# KiCad board Engine.kicad_pcb (continued)
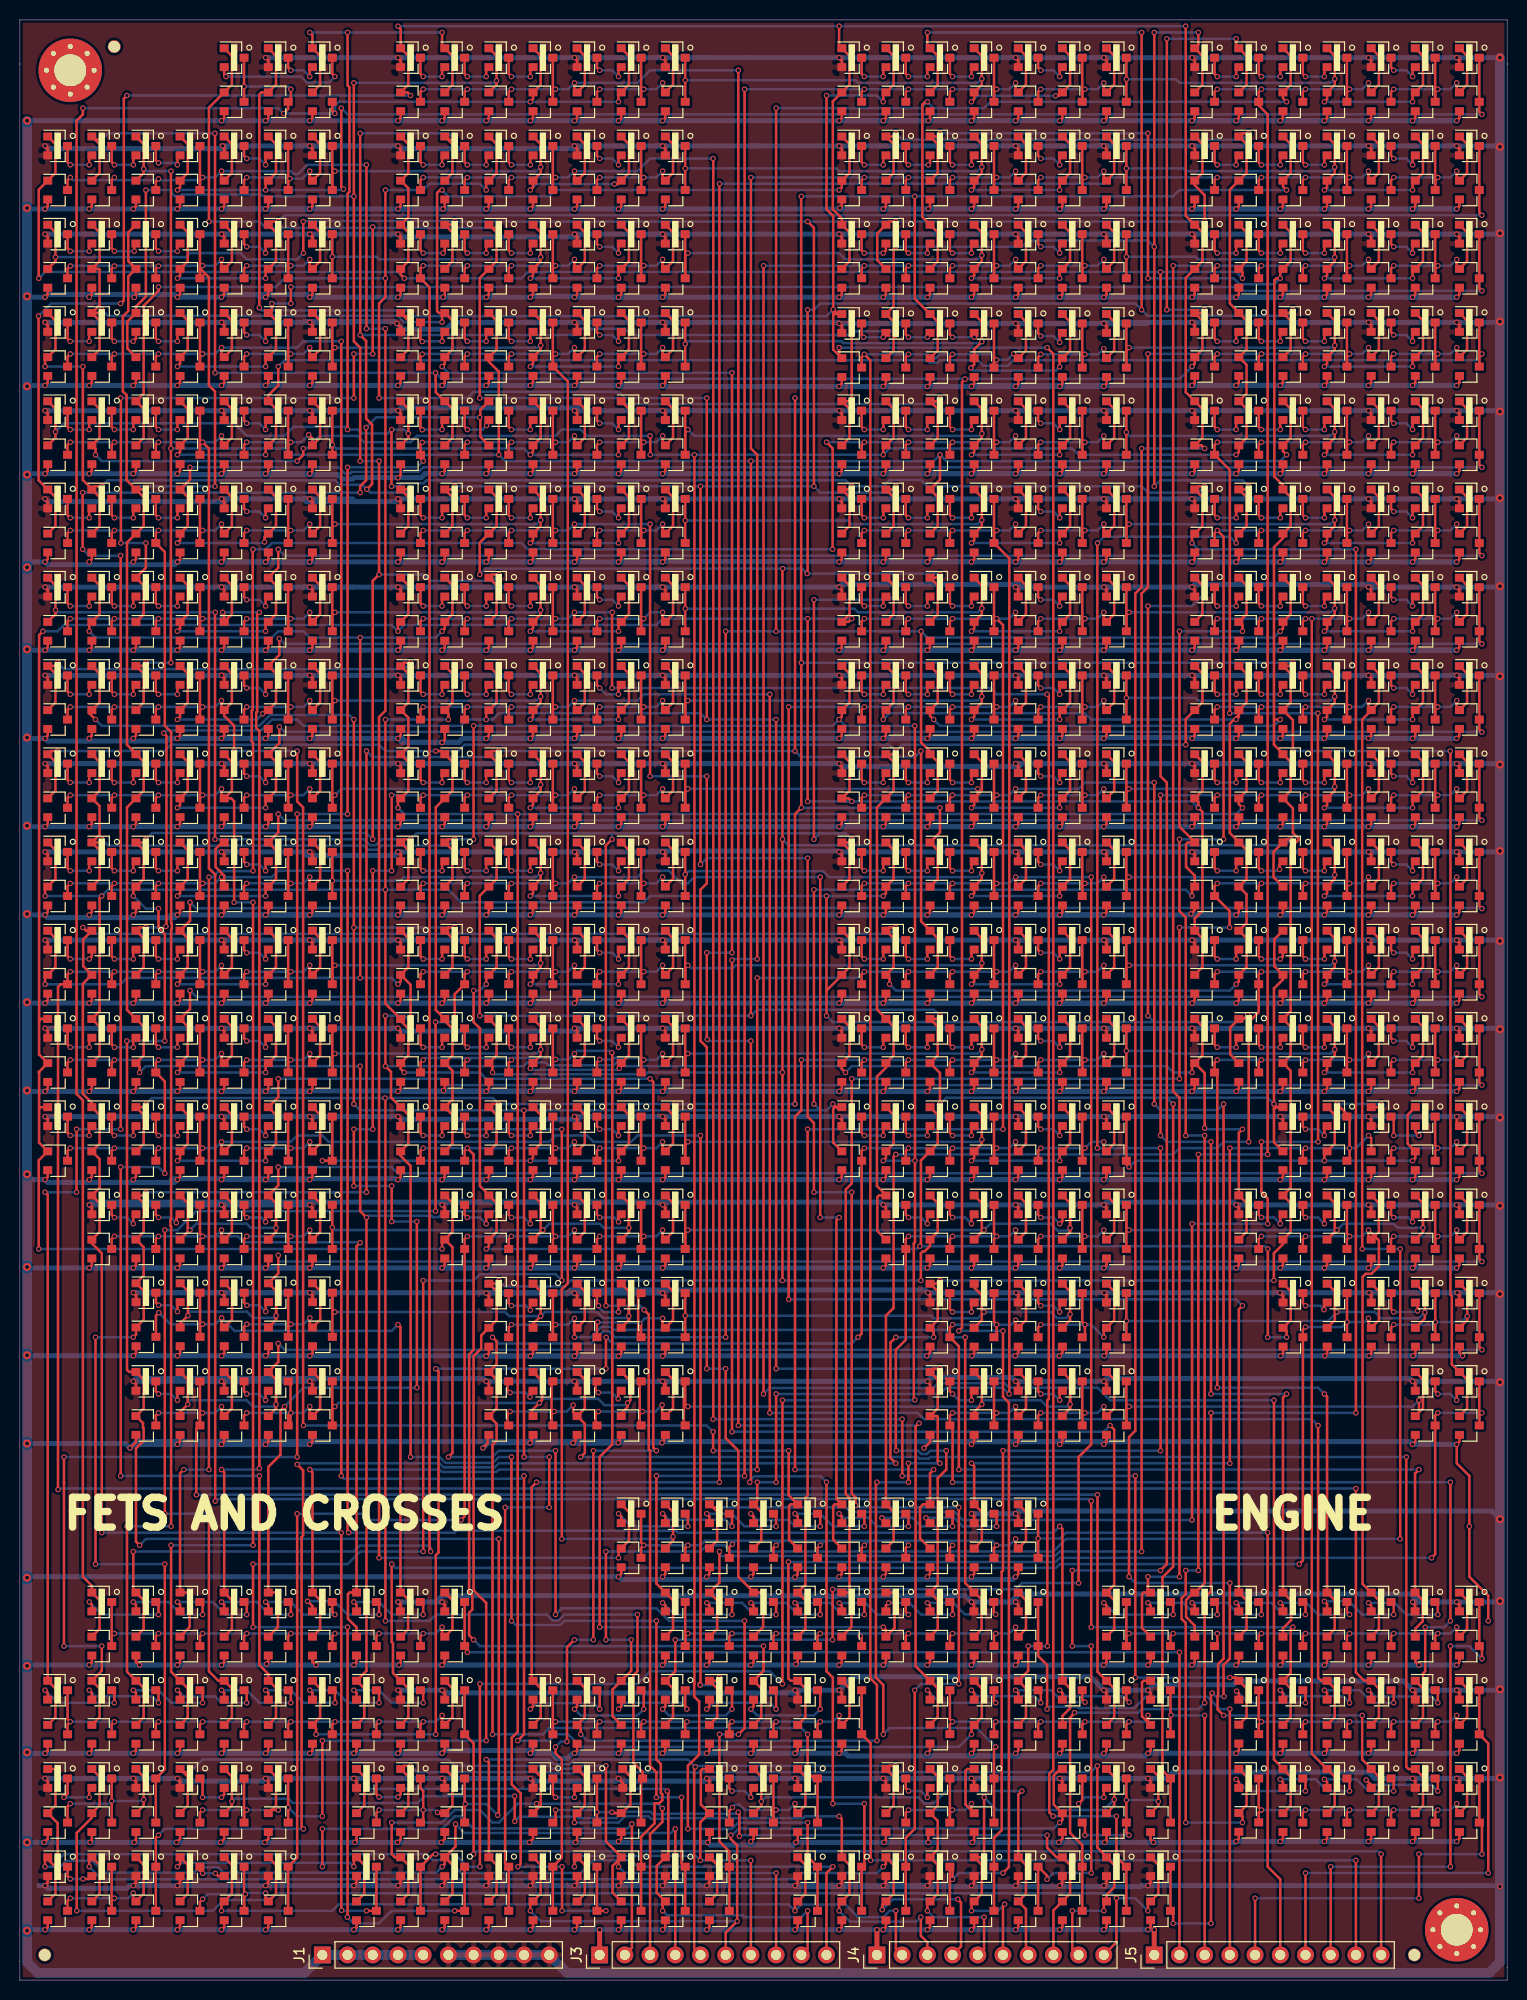
[diagram p0: board, top side]
## Routing (per net, layer and track width the routed paths; a pad name or vN(x,y) marks a point on that pad's centre or on a via; arc(x,y) is an arc through that point) (continued)
/sheet6079A94F/sheet607A7A7B/sheet6054A98B/sheet5E562435/A: length 19.1
  Top w0.25: Q310.3 107.32,65.04 v1(107.32,66.04) 107.05,66.31 Q309.3 ; v1(102.87,66.04) 102.6,65.77 Q307.3 ; v1(109.22,64.77) 109.22,65.45 Q306.1 110.27,66.5 110.27,69.39 Q305.1
  Bottom w0.25: v1(102.87,66.04) v1(107.32,66.04) 107.95,66.04 v1(109.22,64.77)
/sheet6079A94F/sheet607A3999/sheet6054A98B/sheet5E562435/A: length 20
  Top w0.25: Q285.1 30.27,69.43 30.27,66.53 Q286.1 29.22,66.03 v1(29.22,66.71) ; Q287.3 22.6,65.81 v1(22.87,66.08) ; v1(27.32,66.08) 27.05,65.81 Q290.3 Q289.3
  Bottom w0.25: v1(29.22,66.71) 28.59,66.08 v1(27.32,66.08) v1(22.87,66.08)
/sheet60491C71/OUT0: length 418.7
  Top w0.25: Q19.3 Q20.3 116.2,6.72 v1(116.2,5.72) ; Q845.1 83.6,173.18 83.6,176.07 Q847.1 82.82,177.49 81.92,178.4 81.92,189.28 Q977.1 83.6,190.96 83.6,193.85 Q979.1 82.55,194.89 v1(82.55,196.85) ; Q775.1 3.59,146.51 3.59,149.4 Q777.1 1.88,151.1 v1(1.88,167.64) ; v1(121.92,40) 121.92,32.38 121.29,31.75 121.29,28.62 v1(121.33,28.57) ; v1(10.16,168.91) 10.47,169.22 10.47,189.54 v1(10.79,189.86) ; v1(119.38,154.31) 119.07,154.62 Q761.1 119.16,155.4 119.16,158.29 117.48,159.97 117.48,171.5 Q859.1 119.16,173.18 119.16,176.07 Q861.1 117.48,177.75 v1(117.48,196.85) ; v1(120.02,5.72) 120.02,28.8 v1(120.14,28.92) ; v1(39.37,189.86) 39.05,190.18 Q957.1 39.15,190.96 39.15,193.85 Q959.1 38.37,196.58 v1(38.1,196.85) ; v1(111.76,40.64) 111.76,54.71 112.4,55.35 112.4,139.7 113.03,140.33 v1(113.03,154.31)
  Bottom w0.25: v1(39.37,189.86) v1(10.79,189.86) ; v1(111.76,40.64) 112.4,40 v1(121.92,40) ; v1(38.1,196.85) v1(82.55,196.85) v1(117.48,196.85) ; v1(120.14,28.92) 120.49,28.57 v1(121.33,28.57) ; v1(119.38,154.31) v1(113.03,154.31) ; v1(120.02,5.72) v1(116.2,5.72) ; v1(1.88,167.64) 3.15,168.91 v1(10.16,168.91)
/sheet60491C71/OUT1: length 320.7
  Top w0.25: Q22.3 Q21.3 110.49,12.43 v1(110.49,16.51) ; Q980.1 88.04,193.85 88.04,190.96 Q978.1 87,189.91 v1(87,189.23) ; Q887.1 39.15,164.29 39.15,167.18 Q889.1 38.68,167.64 v1(39.37,167.64) ; v1(82.55,164.47) 82.55,163.67 Q901.1 81.95,164.28 81.95,167.68 ; 81.95,167.68 82.12,167.85 Q903.1 82.41,167.85 v1(81.95,168.31) ; 81.95,167.68 v1(81.95,168.31) ; v1(81.95,168.31) 81.95,177.73 81.28,178.4 v1(81.28,189.86) ; v1(24.13,168.49) 24.13,189.97 24.34,190.18 Q971.1 25.81,190.96 25.81,193.85 Q973.1 ; v1(104.12,16.51) 103.72,16.91 103.72,20.79 104.13,21.19 104.13,163.84 v1(103.51,164.47)
  Bottom w0.25: v1(87,189.23) 86.36,189.86 v1(81.28,189.86) ; v1(110.49,16.51) v1(104.12,16.51) ; v1(81.95,168.31) 81.28,167.64 v1(39.37,167.64) 39.37,168.03 39.18,168.21 24.4,168.21 v1(24.13,168.49) ; v1(103.51,164.47) v1(82.55,164.47)
/sheet60491C71/OUT2: length 399.4
  Top w0.25: Q24.3 Q23.3 107.05,13.6 105.82,14.83 105.82,26.45 106.05,26.67 106.05,26.73 v1(106.27,26.95) ; Q958.1 43.59,190.96 43.59,193.85 Q960.1 42.54,194.89 v1(42.54,196.22) ; 2.81,159.06 3.59,158.29 v1(3.59,155.99) 3.59,155.4 Q929.1 ; 38.37,159.06 39.15,158.29 v1(39.15,155.8) 39.15,155.4 Q943.1 ; Q803.1 83.6,146.51 83.6,149.4 Q805.1 83.5,150.17 v1(83.82,150.5) ; Q972.1 30.26,190.96 30.26,193.85 Q974.1 29.48,195.94 v1(29.21,196.22) ; v1(119.38,27.94) 119.38,38.54 120.02,39.17 v1(120.02,57.15) ; v1(33.02,156.21) 33.02,179.96 33.2,180.14 33.2,190.7 33.02,190.88 v1(33.02,196.22) ; v1(119.38,150.5) 118.7,150.5 Q819.1 119.16,149.4 119.16,146.51 Q817.1 118.11,145.46 v1(118.11,144.78) ; v1(37.46,156.21) 37.44,156.19 v1(37.44,150.5) ; v1(134.62,57.15) v1(134.62,144.14)
  Bottom w0.25: v1(42.54,196.22) v1(33.02,196.22) v1(29.21,196.22) ; v1(120.02,57.15) v1(134.62,57.15) ; v1(134.62,144.14) 118.75,144.14 v1(118.11,144.78) ; v1(37.44,150.5) 38.13,150.5 38.44,150.8 40.67,150.8 40.96,151.1 83.22,151.1 v1(83.82,150.5) 87,150.5 87.63,151.13 90.81,151.13 91.44,150.5 113.03,150.5 113.67,149.86 118.75,149.86 v1(119.38,150.5) ; v1(39.15,155.8) 38.73,156.21 v1(37.46,156.21) 37.08,155.82 34.43,155.82 34.04,156.21 v1(33.02,156.21) 32.75,156.48 27.58,156.48 26.67,155.57 22.86,155.57 21.59,156.84 4.44,156.84 v1(3.59,155.99) ; v1(119.38,27.94) 118.75,27.3 113.03,27.3 112.68,26.95 v1(106.27,26.95)
/sheet60491C71/OUT3: length 343.6
  Top w0.25: Q26.3 Q25.3 103.51,10.53 v1(103.51,10.16) ; 2.81,185.73 3.59,184.96 3.59,182.07 Q1005.1 1.9,180.38 v1(1.9,171.45) ; 38.37,185.73 39.15,184.96 39.15,182.07 Q1019.1 39.15,180.51 39.15,177.62 Q833.1 39.15,176.07 39.15,173.18 Q831.1 38.37,171.81 v1(38.73,171.45) ; Q862.1 123.6,176.07 123.6,173.18 Q860.1 123.19,172.03 v1(123.19,171.45) ; v1(114.94,172.08) 114.94,121.28 115.57,120.65 115.57,41.91 v1(114.94,41.28) ; v1(106.05,41.28) v1(106.05,33.66) ; v1(107.95,33.66) v1(107.95,10.79)
  Bottom w0.25: v1(103.51,10.16) 104.14,10.79 v1(107.95,10.79) ; v1(123.19,171.45) 122.55,172.08 v1(114.94,172.08) 52.7,172.08 52.67,172.05 51.15,172.05 50.55,171.45 v1(38.73,171.45) 38.1,172.08 2.54,172.08 v1(1.9,171.45) ; v1(106.05,33.66) v1(107.95,33.66) ; v1(114.94,41.28) v1(106.05,41.28)
/sheet60491C71/OUT4: length 475.4
  Top w0.25: Q28.3 Q27.3 98.16,14.33 98.93,15.11 98.93,41.15 99.06,41.28 v1(99.06,53.34) ; Q991.1 119.16,190.96 119.16,193.85 Q993.1 118.75,194.99 v1(118.75,196.22) ; Q1020.1 43.59,182.07 43.59,184.96 42.81,185.73 43.13,185.42 v1(43.81,185.42) ; Q875.1 3.59,167.18 3.59,164.29 Q873.1 2.54,163.24 v1(2.54,162.56) ; Q902.1 88.04,164.18 88.04,165.51 ; Q747.1 83.6,155.4 83.6,158.29 82.82,159.06 83.52,159.06 83.82,159.37 v1(83.82,165.73) ; Q778.1 8.03,149.4 8.03,146.51 Q776.1 ; Q778.1 7.58,150.5 v1(8.26,150.5) ; Q778.1 7.26,150.22 6.35,151.13 v1(6.35,162.56) ; Q789.1 39.15,146.51 39.15,149.4 Q791.1 39.35,150.17 v1(39.37,150.2) ; v1(34.29,186.05) v1(34.29,165.73) 34.89,165.13 34.89,157.31 35.49,156.71 35.49,150.72 v1(34.96,150.19) ; 88.04,165.51 88.04,167.07 Q904.1 88.04,168.63 88.04,174.4 v1(88.27,174.62) ; 88.04,165.51 v1(88.27,165.73) ; v1(123.83,150.5) 123.51,150.17 Q820.1 123.6,149.4 123.6,146.51 Q818.1 122.55,145.46 v1(122.55,144.78) ; v1(114.94,53.34) v1(114.94,83.82) ; v1(114.3,196.22) v1(114.3,174.62) v1(114.3,150.5) ; v1(108.59,144.78) 108.56,144.76 v1(108.56,83.82)
  Bottom w0.25: v1(34.29,165.73) 55.88,165.73 56.51,166.37 60.96,166.37 61.59,165.73 v1(83.82,165.73) 84.2,166.12 87.88,166.12 v1(88.27,165.73) ; v1(114.3,174.62) 113.67,175.26 101.6,175.26 100.97,174.62 v1(88.27,174.62) ; v1(108.59,144.78) 109.22,145.41 121.92,145.41 v1(122.55,144.78) ; v1(8.26,150.5) 8.86,151.1 31.81,151.1 32.26,150.65 34.51,150.65 v1(34.96,150.19) 35.3,149.86 39.03,149.86 v1(39.37,150.2) ; v1(6.35,162.56) v1(2.54,162.56) ; v1(34.29,186.05) 43.18,186.05 v1(43.81,185.42) ; v1(99.06,53.34) v1(114.94,53.34) ; v1(114.3,150.5) 114.9,151.1 123.22,151.1 v1(123.83,150.5) ; v1(114.94,83.82) v1(108.56,83.82) ; v1(114.3,196.22) v1(118.75,196.22)
/sheet60491C71/OUT5: length 368
  Top w0.25: Q30.3 Q29.3 93.98,11.16 v1(93.98,10.16) ; Q992.1 123.6,190.96 123.6,193.85 Q994.1 122.55,194.89 v1(122.55,195.58) ; Q1006.1 8.03,182.07 8.03,184.96 7.26,185.73 7.57,185.42 v1(8.26,185.42) ; Q944.1 43.59,155.4 43.59,158.29 41.91,159.97 41.91,161.08 41.89,161.1 v1(41.89,161.92) ; v1(94.62,65.4) 94.93,65.72 94.93,160.99 v1(95.23,161.29) ; v1(119.38,168.27) 119.06,167.95 Q917.1 119.16,167.18 119.16,164.29 Q915.1 118.38,162.83 v1(118.11,162.56) ; v1(99.06,65.4) 99.06,58.78 99.66,58.18 99.66,11.4 v1(99.06,10.79) ; v1(19.66,161.92) v1(19.66,186.05) ; v1(115.57,168.27) v1(115.57,195.58)
  Bottom w0.25: v1(118.11,162.56) 116.87,161.32 95.28,161.32 ; 95.28,161.32 95.26,161.32 v1(95.23,161.29) ; 95.28,161.32 42.49,161.32 v1(41.89,161.92) v1(19.66,161.92) ; v1(119.38,168.27) v1(115.57,168.27) ; v1(19.66,186.05) 8.89,186.05 v1(8.26,185.42) ; v1(94.62,65.4) v1(99.06,65.4) ; v1(115.57,195.58) v1(122.55,195.58) ; v1(99.06,10.79) 94.62,10.79 v1(93.98,10.16)
/sheet60491C71/OUT6: length 406.1
  Top w0.25: Q32.3 Q31.3 89.27,14.33 90.17,15.24 v1(90.17,29.21) ; 118.38,185.73 119.16,184.96 119.16,182.07 Q1047.1 118.38,180.83 119.38,179.83 v1(119.38,177.16) ; Q1063.1 3.59,176.07 v1(3.59,173.58) 3.59,173.18 Q1061.1 ; Q832.1 43.59,173.18 43.59,176.07 Q834.1 43.49,176.84 v1(43.81,177.16) ; Q790.1 43.59,146.51 43.59,149.4 Q792.1 43.49,150.17 v1(43.81,150.5) ; Q804.1 88.04,146.51 88.04,149.4 Q806.1 87.95,150.17 v1(88.27,150.5) ; v1(68.58,112.39) v1(68.58,150.5) ; v1(83.82,79.37) 83.82,49.01 84.2,48.64 v1(84.2,47.83) ; v1(28.55,177.16) 28.55,174.01 v1(28.57,173.99) ; v1(79.38,177.16) 80.01,176.53 v1(80.01,150.5) ; v1(79.38,113.03) 79.38,86.99 80.01,86.36 v1(80.01,79.37) ; v1(88.27,177.16) 87.59,177.16 Q848.1 86.39,175.97 86.39,173.27 Q846.1 ; v1(94.62,29.84) v1(94.62,47.62)
  Bottom w0.25: v1(84.2,47.83) 84.4,47.62 v1(94.62,47.62) ; v1(68.58,112.39) 69.22,113.03 v1(79.38,113.03) ; 43.18,177.16 43.12,177.22 28.61,177.22 v1(28.55,177.16) ; 43.18,177.16 v1(79.38,177.16) v1(88.27,177.16) v1(119.38,177.16) ; 43.18,177.16 v1(43.81,177.16) ; v1(90.17,29.21) 90.81,29.84 v1(94.62,29.84) ; v1(43.81,150.5) v1(68.58,150.5) v1(80.01,150.5) 80.65,149.86 87.63,149.86 v1(88.27,150.5) ; v1(3.59,173.58) 16.73,173.58 17.14,173.99 22.23,173.99 22.86,173.35 27.94,173.35 v1(28.57,173.99) ; v1(83.82,79.37) v1(80.01,79.37)
/sheet60491C71/OUT7: length 322
  Top w0.25: Q34.3 Q33.3 85.09,11.7 v1(85.09,17.78) ; 82.82,185.73 83.6,184.96 83.6,182.07 Q1033.1 82.82,180.61 v1(82.55,180.34) ; Q1064.1 8.03,176.07 8.03,173.18 Q1062.1 7.96,172.4 8.03,172.32 8.03,168.73 Q876.1 ; Q876.1 8.03,167.18 8.03,164.29 Q874.1 ; Q876.1 7.94,167.95 v1(8.26,168.27) ; Q890.1 43.59,167.18 43.59,164.29 Q888.1 42.81,162.83 v1(42.54,162.56) ; Q890.1 42.23,167.95 42.04,168.15 42.04,180.05 42.33,180.34 v1(42.54,180.34) ; Q890.1 42.54,167.69 v1(42.54,167.04) ; v1(73.66,94.61) 73.66,50.28 v1(73.54,50.16) ; v1(81.28,50.16) 81.28,31.11 81.92,30.48 v1(81.92,17.78) ; v1(71.76,161.92) v1(71.76,103.5) ; v1(69.22,103.5) 69.22,94.83 v1(69.26,94.78)
  Bottom w0.25: v1(42.54,180.34) 43.18,179.7 53.34,179.7 53.98,180.34 v1(82.55,180.34) ; v1(73.66,94.61) 69.43,94.61 v1(69.26,94.78) ; v1(71.76,103.5) v1(69.22,103.5) ; v1(8.26,168.27) 8.86,167.67 38.07,167.67 38.7,167.04 v1(42.54,167.04) ; v1(73.54,50.16) 73.54,50.3 74.01,50.77 80.68,50.77 v1(81.28,50.16) ; v1(71.76,161.92) 43.18,161.92 v1(42.54,162.56) ; v1(81.92,17.78) v1(85.09,17.78)
/sheet60491C71/OUT8: length 372.1
  Top w0.25: Q36.3 Q35.3 79.38,12.43 v1(79.38,15.88) ; Q1034.1 88.04,182.07 88.04,184.96 87.27,185.73 87.95,185.73 v1(88.27,186.05) ; 7.26,159.06 8.03,158.29 8.03,155.4 Q930.1 7.62,154.25 v1(7.62,153.67) ; 87.27,159.06 88.04,158.29 88.04,155.4 Q748.1 87,154.35 v1(87,153.67) ; v1(67.31,15.24) 67.31,21.59 68.45,22.73 68.45,28.07 67.95,28.57 67.95,29.84 67.97,29.87 v1(67.97,153.67) ; v1(63.5,155.57) 63.52,155.55 v1(63.52,153.67) ; v1(123.83,186.05) 123.14,186.05 122.83,185.73 123.6,184.96 123.6,182.07 Q1048.1 121.92,180.38 121.92,168.91 122.83,168 Q918.1 123.6,167.18 123.6,164.29 Q916.1 123.6,162.73 123.6,159.84 122.83,159.06 123.6,158.29 123.6,155.4 Q762.1 122.83,153.94 v1(122.55,153.67) ; v1(27.94,153.03) 28.55,153.65 v1(28.55,154.31)
  Bottom w0.25: 67.95,153.67 v1(63.52,153.67) ; 67.95,153.67 v1(67.97,153.67) ; 67.95,153.67 v1(87,153.67) 87.63,154.31 106.05,154.31 106.68,153.67 v1(122.55,153.67) ; v1(79.38,15.88) 72.39,15.88 71.76,15.24 v1(67.31,15.24) ; v1(7.62,153.67) 8.26,153.03 v1(27.94,153.03) ; v1(88.27,186.05) 88.9,185.42 123.19,185.42 v1(123.83,186.05) ; v1(28.55,154.31) 28.94,154.31 30.21,155.57 34.04,155.57 34.67,154.94 39.37,154.94 40,155.57 53.98,155.57 54.61,156.21 56.51,156.21 57.15,155.57 v1(63.5,155.57)
/sheet606933A1/Block: length 57.6
  Top w0.25: Q573.3 Q574.3 67.04,101.96 v1(67.31,102.23) ; Q416.1 96.93,104.95 v1(96.93,102.46) 96.93,102.06 Q418.1 96.16,100.6 v1(95.89,100.33) ; Q423.1 105.82,104.95 105.82,102.06 Q424.1 104.78,101.01 v1(104.78,100.33)
  Bottom w0.25: v1(95.89,100.33) v1(104.78,100.33) ; v1(96.93,102.46) 96.71,102.23 72.12,102.23 71.85,101.96 67.58,101.96 v1(67.31,102.23)
/sheet606933A1/sheet606F7BEA/sheet6054A98B/sheet5E562435/A: length 20
  Top w0.25: Q419.1 110.27,104.95 110.27,102.06 Q420.1 109.22,101.55 v1(109.22,102.23) ; Q423.3 Q424.3 107.05,101.33 v1(107.32,101.6) ; v1(102.87,101.6) 102.6,101.33 Q421.3
  Bottom w0.25: v1(102.87,101.6) v1(107.32,101.6) 108.59,101.6 v1(109.22,102.23)
/sheet606933A1/sheet606F7BEB/Block: length 48.5
  Top w0.25: Q419.3 Q420.3 111.49,101.96 v1(111.76,102.23) ; Q430.1 132.49,104.95 v1(132.49,102.65) 132.49,102.06 Q432.1 131.72,100.6 v1(131.44,100.33) ; Q437.1 141.38,104.95 141.38,102.06 Q438.1 140.33,101.01 v1(140.33,100.33)
  Bottom w0.25: v1(131.44,100.33) v1(140.33,100.33) ; v1(111.76,102.23) 132.08,102.23 v1(132.49,102.65)
/sheet606933A1/sheet606F7BEB/sheet6054A98B/sheet5E562435/A: length 20
  Top w0.25: Q433.1 145.83,104.95 145.83,102.06 Q434.1 144.78,101.55 v1(144.78,102.23) ; Q437.3 Q438.3 142.6,101.33 v1(142.88,101.6) ; v1(138.43,101.6) 138.16,101.33 Q435.3
  Bottom w0.25: v1(138.43,101.6) v1(142.88,101.6) 144.14,101.6 v1(144.78,102.23)
/sheet606933A1/sheet606F7BEC/Block: length 160.7
  Top w0.25: Q433.3 Q434.3 147.05,99.33 v1(147.32,99.06) ; Q451.1 25.81,96.06 25.81,93.17 Q452.1 24.77,92.12 v1(24.77,91.44) ; v1(15.87,91.44) 16.15,91.71 Q446.1 16.92,93.17 16.92,96.06 Q444.1 17.14,97.83 v1(17.14,99.69)
  Bottom w0.25: v1(15.87,91.44) v1(24.77,91.44) ; v1(147.32,99.06) 17.78,99.06 v1(17.14,99.69)
/sheet606933A1/sheet606F7BEC/sheet6054A98B/sheet5E562435/A: length 20
  Top w0.25: Q447.1 30.26,96.06 30.26,93.17 Q448.1 29.21,92.66 v1(29.21,93.34) ; Q451.3 Q452.3 27.03,92.44 v1(27.3,92.71) ; v1(22.86,92.71) 22.59,92.44 Q449.3
  Bottom w0.25: v1(22.86,92.71) v1(27.3,92.71) 28.57,92.71 v1(29.21,93.34)
/sheet606933A1/sheet606FA47B/Block: length 47.9
  Top w0.25: Q447.3 Q448.3 31.48,93.07 v1(31.75,93.34) ; Q458.1 52.48,96.06 v1(52.48,93.76) 52.48,93.17 Q460.1 51.7,92.13 v1(51.43,91.86) ; Q465.1 61.37,96.06 61.37,93.17 Q466.1 60.4,92.2 v1(60.4,91.86)
  Bottom w0.25: v1(52.48,93.76) 52.08,93.36 31.76,93.36 v1(31.75,93.34) ; v1(60.4,91.86) 60.25,91.71 51.58,91.71 v1(51.43,91.86)
/sheet606933A1/sheet606FA47B/sheet6054A98B/sheet5E562435/A: length 20.2
  Top w0.25: Q461.1 65.82,96.06 65.82,93.17 Q462.1 64.77,92.66 v1(64.77,93.34) ; Q465.3 Q466.3 62.59,92.44 v1(62.87,92.71) ; Q463.3 58.15,92.48 v1(58.43,92.76)
  Bottom w0.25: v1(64.77,93.34) 64.14,92.71 v1(62.87,92.71) 62.67,92.91 59.93,92.91 59.78,92.76 v1(58.43,92.76)
/sheet606933A1/sheet606FA47C/Block: length 57.4
  Top w0.25: Q461.3 Q462.3 67.04,93.07 v1(67.31,93.34) ; Q472.1 96.93,96.06 v1(96.93,93.76) 96.93,93.17 Q474.1 96.16,91.71 v1(95.89,91.44) ; Q479.1 105.82,96.06 105.82,93.17 Q480.1 104.78,92.12 v1(104.78,91.44)
  Bottom w0.25: v1(95.89,91.44) v1(104.78,91.44) ; v1(67.31,93.34) 96.52,93.34 v1(96.93,93.76)
/sheet606933A1/sheet606FA47C/sheet6054A98B/sheet5E562435/A: length 20
  Top w0.25: Q475.1 110.27,96.06 110.27,93.17 Q476.1 109.22,92.66 v1(109.22,93.34) ; Q479.3 Q480.3 107.05,92.44 v1(107.32,92.71) ; v1(102.87,92.71) 102.6,92.44 Q477.3
  Bottom w0.25: v1(102.87,92.71) v1(107.32,92.71) 108.59,92.71 v1(109.22,93.34)
/sheet606933A1/sheet606FA47D/Block: length 46.9
  Top w0.25: Q486.1 132.49,96.06 v1(132.49,93.76) 132.49,93.17 Q488.1 131.72,91.71 v1(131.44,91.44) ; Q493.1 141.38,96.06 141.38,93.17 Q494.1 140.33,92.12 v1(140.33,91.44) ; Q476.3 v1(111.49,93.61) Q475.3
  Bottom w0.25: v1(131.44,91.44) v1(140.33,91.44) ; v1(111.49,93.61) 115.94,93.61 116.2,93.34 132.08,93.34 v1(132.49,93.76)
/sheet606933A1/sheet606FA47D/sheet6054A98B/sheet5E562435/A: length 20
  Top w0.25: Q489.1 145.83,96.06 145.83,93.17 Q490.1 144.78,92.66 v1(144.78,93.34) ; Q493.3 Q494.3 142.6,92.44 v1(142.88,92.71) ; v1(138.43,92.71) 138.16,92.44 Q491.3
  Bottom w0.25: v1(138.43,92.71) v1(142.88,92.71) 144.14,92.71 v1(144.78,93.34)
/Sheet6049469B/Q0: length 456.7
  Top w0.25: Q613.1 48.04,119.84 48.04,122.73 Q611.1 47.58,123.82 v1(48.26,123.82) ; Q753.1 92.49,155.4 92.49,158.29 91.71,159.06 92.39,159.06 v1(92.71,159.38) ; Q417.1 92.49,102.06 92.49,104.95 Q415.1 91.71,105.77 90.81,106.68 90.81,123.8 v1(90.78,123.82) ; Q627.1 12.48,137.62 12.48,140.51 11.7,141.28 12.7,142.28 v1(12.7,144.78) ; v1(12.7,79.37) 12.38,79.05 Q258.1 12.48,78.28 12.48,75.39 Q256.1 12.48,73.83 12.48,70.97 Q292.1 12.49,69.43 12.49,66.53 Q291.1 11.71,65.05 v1(11.43,64.77) ; Q975.1 21.37,193.85 21.37,190.96 Q976.1 19.05,188.64 v1(19.05,177.16) ; v1(78.11,123.82) v1(78.11,159.38) ; v1(46.33,159.38) 46.33,171.47 Q837.1 48.04,173.18 48.04,176.07 Q835.1 47.57,176.53 v1(48.26,176.53) ; v1(10.18,144.78) 10.18,159.36 v1(10.16,159.38) ; v1(34.92,79.37) v1(34.92,123.82) ; v1(7.62,64.77) v1(7.62,41.91) ; v1(33.66,159.38) v1(33.66,163.83) ; Q38.3 Q37.3 14.6,21.22 v1(14.6,41.91) ; v1(35.56,163.83) v1(35.56,176.62)
  Bottom w0.25: v1(48.26,176.53) 24.77,176.53 24.13,177.16 v1(19.05,177.16) ; v1(7.62,41.91) v1(14.6,41.91) ; v1(34.92,123.82) 35.53,123.22 47.66,123.22 v1(48.26,123.82) v1(78.11,123.82) 78.71,123.22 90.18,123.22 v1(90.78,123.82) ; 78.14,158.78 78.14,159.35 v1(78.11,159.38) ; 78.14,158.78 92.11,158.78 v1(92.71,159.38) ; 78.14,158.78 60.92,158.78 60.32,159.38 v1(46.33,159.38) ; v1(11.43,64.77) v1(7.62,64.77) ; v1(12.7,79.37) v1(34.92,79.37) ; v1(12.7,144.78) v1(10.18,144.78) ; v1(10.16,159.38) v1(33.66,159.38) ; v1(33.66,163.83) v1(35.56,163.83)
/Sheet6049469B/Q1: length 333.2
  Top w0.25: Q961.1 48.04,193.85 48.04,190.96 Q963.1 ; Q641.1 48.04,137.62 48.04,140.51 47.26,141.28 47.58,141.6 v1(48.26,141.6) ; v1(35.56,114.93) 35.56,140.97 v1(36.2,141.6) v1(36.2,153.03) ; v1(34.29,153.03) 34.29,164.47 33.66,165.1 v1(33.66,179.7) v1(33.66,191.13) ; v1(48.15,16.62) 48.26,16.72 v1(48.26,44.45) ; Q879.1 10.83,164.38 10.83,167.08 Q877.1 11.7,168.6 12.7,169.6 v1(12.7,180.34) ; v1(11.43,109.22) 11.43,109.9 Q585.1 12.48,110.95 12.48,113.84 Q583.1 12.38,114.61 v1(12.7,114.93) ; Q44.3 44.81,17.51 44.87,17.57 v1(44.87,17.75) 44.81,17.8 Q43.3 ; v1(12.06,43.81) 11.7,44.18 11.7,53.57 12.48,54.34 12.48,55.59 12.41,55.66 12.41,56.12 Q331.1 12.48,57.61 12.48,60.5 11.7,61.28 11,61.28 10.79,61.48 10.79,94.59 v1(10.77,94.61) ; v1(14.6,94.61) 14.6,105.41 13.97,106.04 v1(13.97,107.95)
  Bottom w0.25: v1(48.04,191.36) 47.81,191.13 v1(33.66,191.13) ; v1(12.7,180.34) 15.27,180.34 15.27,180.05 15.59,179.74 16.16,179.74 16.31,179.89 24.33,179.89 24.48,179.74 24.73,179.74 24.76,179.7 v1(33.66,179.7) ; v1(48.26,141.6) 47.62,140.97 41.27,140.97 40.64,141.6 v1(36.2,141.6) ; v1(34.29,153.03) v1(36.2,153.03) ; v1(10.77,94.61) v1(14.6,94.61) ; v1(12.7,114.93) 13.33,115.57 34.92,115.57 v1(35.56,114.93) ; v1(13.97,107.95) 12.7,107.95 v1(11.43,109.22) ; v1(44.87,17.75) 47.02,17.75 v1(48.15,16.62) ; v1(12.06,43.81) 12.7,44.45 v1(48.26,44.45)
/Sheet6049469B/Q2: length 501
  Top w0.25: Q282.1 92.49,78.28 92.49,75.39 Q280.1 91.71,73.96 91.19,73.44 91,73.44 90.78,73.22 v1(90.78,70.48) ; Q983.1 92.49,190.96 92.49,193.85 Q981.1 91.44,194.89 v1(91.44,196.22) ; Q921.1 128.05,164.29 128.05,167.18 Q919.1 127.95,167.95 v1(128.27,168.27) ; Q793.1 48.04,149.4 48.04,146.51 Q795.1 46.33,144.8 v1(46.33,141.6) ; Q457.1 48.04,96.06 48.04,93.17 Q459.1 47.62,92.02 v1(47.62,91.44) ; Q655.1 92.49,137.62 92.49,140.51 91.71,141.28 92.39,141.28 v1(92.71,141.6) ; v1(46.99,24.13) 46.99,38 45.72,39.27 45.72,62.86 46.48,63.63 46.48,64.94 Q301.1 48.04,66.5 48.04,69.39 Q302.1 47.94,70.16 v1(48.26,70.48) ; v1(113.03,168.27) v1(113.03,196.22) ; v1(76.87,142.21) 76.84,142.17 v1(76.84,114.93) v1(76.84,91.44) v1(76.84,70.48) ; v1(79.32,141.7) 79.38,141.75 v1(79.38,168.27) ; v1(30.48,24.13) v1(30.48,16.51) ; Q599.1 126.32,111.12 126.32,113.67 Q597.1 127.59,114.93 v1(128.06,114.93) ; Q49.3 Q50.3
  Bottom w0.25: v1(113.03,196.22) v1(91.44,196.22) ; v1(76.84,114.93) 77.44,114.33 127.45,114.33 v1(128.06,114.93) ; v1(46.99,24.13) v1(30.48,24.13) ; v1(46.33,141.6) 46.93,142.21 v1(76.87,142.21) 78.82,142.21 v1(79.32,141.7) 92.61,141.7 v1(92.71,141.6) ; v1(90.78,70.48) 55.5,70.48 54.9,69.88 48.86,69.88 v1(48.26,70.48) ; v1(27.03,17.41) 27.94,16.51 v1(30.48,16.51) ; v1(79.38,168.27) 80.01,168.27 80.65,168.91 112.4,168.91 v1(113.03,168.27) 113.63,167.67 127.67,167.67 v1(128.27,168.27) ; v1(47.62,91.44) 47.81,91.26 63.06,91.26 63.25,91.44 v1(76.84,91.44)
/Sheet6049469B/Q3: length 389.8
  Top w0.25: 47.13,61.41 47.9,60.64 ; Q56.3 Q55.3 80.01,20.32 79.38,20.95 v1(79.38,24.76) ; Q995.1 128.05,193.85 128.05,190.96 Q997.1 127.27,189.59 v1(127.64,189.23) ; Q501.1 92.49,119.84 92.49,122.73 Q499.1 91.71,123.79 90.81,124.69 v1(90.81,135.89) ; Q851.1 92.49,173.18 92.49,176.07 Q849.1 90.93,177.62 90.93,188.94 91.22,189.23 v1(91.44,189.23) ; 127.27,141.28 128.05,140.51 128.05,137.62 Q669.1 127.27,136.16 v1(127,135.89) ; v1(71.12,135.89) v1(71.12,64.77) ; v1(47.62,64.77) 48.04,64.36 48.04,62.05 47.26,61.28 48.04,60.5 48.04,57.61 Q351.1 48.04,56.05 48.04,54.34 47.62,53.93 v1(47.62,24.76) ; v1(76.2,135.89) v1(76.2,188.59)
  Bottom w0.25: v1(71.12,135.89) v1(76.2,135.89) v1(90.81,135.89) 91.44,135.25 126.36,135.25 v1(127,135.89) ; v1(76.2,188.59) 90.81,188.59 v1(91.44,189.23) 92.08,188.59 97.16,188.59 97.79,189.23 v1(127.64,189.23) ; v1(47.62,64.77) 48.26,64.13 57.55,64.13 58.78,65.36 59.37,65.36 59.96,64.77 v1(71.12,64.77) ; v1(79.38,24.76) 78.74,25.4 53.34,25.4 52.7,24.76 v1(47.62,24.76)
/Sheet6049469B/Q4: length 476.5
  Top w0.25: 11.7,185.73 12.48,184.96 12.48,182.07 Q1011.1 ; Q527.1 48.04,113.84 48.04,110.95 Q529.1 46.33,109.24 v1(46.33,97.15) ; Q891.1 48.04,167.18 48.04,164.29 Q893.1 47.26,163.05 48.26,162.05 v1(48.26,153.67) ; 127.27,159.06 128.05,158.29 128.05,155.4 Q767.1 127.27,154.03 v1(127.64,153.67) ; Q809.1 92.49,146.51 92.49,149.4 Q807.1 92.71,151.17 v1(92.71,153.67) ; Q683.1 12.48,128.73 12.48,131.62 Q681.1 12.38,132.39 v1(12.7,132.71) ; v1(15.22,132.71) v1(15.22,154.31) 15.22,182.22 v1(15.24,182.25) ; Q407.1 126.36,84.4 126.36,87.74 ; v1(92.71,88.26) 92.71,91.39 Q473.1 92.49,93.17 92.49,96.06 Q471.1 92.39,96.83 v1(92.71,97.15) ; v1(73.66,97.15) v1(73.66,153.03) ; Q62.3 Q61.3 115.12,21.13 115.12,40.57 116.2,41.66 116.2,82.55 ; 116.2,82.55 116.2,82.55 ; 116.2,82.55 v1(116.2,88.26) ; 126.36,87.74 126.36,99.91 127.27,100.82 Q431.1 126.4,102.15 126.4,104.85 Q429.1 ; 126.36,87.74 126.57,87.94 Q408.1 126.69,87.94 v1(126.36,88.26)
  Bottom w0.25: 115.57,88.9 93.34,88.9 v1(92.71,88.26) ; 115.57,88.9 v1(116.2,88.26) ; 115.57,88.9 125.73,88.9 v1(126.36,88.26) ; v1(12.7,132.71) v1(15.22,132.71) ; v1(12.48,182.47) 12.7,182.25 v1(15.24,182.25) ; v1(127.64,153.67) 127,153.03 93.34,153.03 v1(92.71,153.67) 92.08,153.03 48.9,153.03 v1(48.26,153.67) 27.3,153.67 26.67,154.31 v1(15.22,154.31) ; v1(46.33,97.15) v1(73.66,97.15) 74.26,97.76 92.11,97.76 v1(92.71,97.15)
/Sheet6049469B/Q5: length 389.9
  Top w0.25: Q68.3 Q67.3 98.16,23.32 v1(98.33,23.5) ; 47.26,185.73 48.04,184.96 48.04,182.07 Q1025.1 46.99,181.02 v1(46.99,180.34) ; Q557.1 12.48,102.06 12.48,104.95 Q555.1 12.02,106.04 v1(12.7,106.04) ; Q935.1 12.48,155.4 12.48,158.29 11.7,159.06 12.48,159.84 12.48,168.69 13.97,170.18 v1(13.97,170.57) ; Q695.1 48.04,131.62 48.04,128.73 Q697.1 46.99,127.68 v1(46.99,127) ; v1(92.71,61.59) 92.03,61.59 91.71,61.28 92.49,60.5 92.49,57.61 Q341.1 92.41,56.83 92.49,56.75 92.49,52.29 v1(92.71,52.07) ; v1(14.71,106.15) 14.77,106.21 14.77,125.35 v1(14.5,125.62) ; v1(36.2,159.38) 36.2,168.91 36.83,169.54 v1(36.83,171.45) v1(36.83,180.34) ; v1(76.2,127) v1(76.2,61.59) ; v1(86.36,50.16) 86.26,50.06 86.26,30.48 87,29.74 v1(87,24.76) ; v1(69.22,159.38) v1(69.22,127) ; v1(89.54,52.07) v1(89.54,50.16)
  Bottom w0.25: v1(13.97,170.57) 25.79,170.57 26.67,171.45 v1(36.83,171.45) ; v1(87,24.76) 87.63,25.4 96.42,25.4 v1(98.33,23.5) ; v1(46.99,180.34) 46.35,180.97 41.27,180.97 40.64,180.34 v1(36.83,180.34) ; v1(12.7,106.04) 14.6,106.04 v1(14.71,106.15) ; v1(92.71,52.07) v1(89.54,52.07) ; v1(36.2,159.38) 45.09,159.38 45.72,160.02 60.04,160.02 60.09,159.97 60.37,159.97 60.96,159.38 v1(69.22,159.38) ; v1(14.5,125.62) 14.77,125.9 24.31,125.9 25.42,127 27.94,127 28.57,126.36 44.45,126.36 45.09,127 v1(46.99,127) 47.62,127 48.26,127.63 68.58,127.63 v1(69.22,127) v1(76.2,127) ; v1(76.2,61.59) v1(92.71,61.59) ; v1(89.54,50.16) v1(86.36,50.16)
/Sheet6049469B/Q6: length 389.9
  Top w0.25: Q1039.1 92.49,182.07 92.49,184.96 91.71,185.73 92.39,185.73 v1(92.71,186.05) ; Q863.1 128.05,176.07 128.05,173.18 Q865.1 127,172.13 v1(127,171.45) 126.61,171.45 126.4,171.24 126.4,151.48 127.27,150.61 Q821.1 128.05,149.4 128.05,146.51 Q823.1 127.27,145.27 126.36,144.36 126.36,124.46 127.27,123.55 Q513.1 128.05,122.73 128.05,119.84 Q515.1 128.27,118.06 128.27,115.57 128.91,114.93 128.05,114.08 128.05,97.61 Q485.1 128.05,96.06 128.05,93.17 Q487.1 128.05,91.61 128.05,79.83 Q246.1 128.05,78.28 128.05,75.39 Q244.1 127.27,74.15 126.35,73.23 v1(126.35,70.48) ; Q709.1 92.49,131.62 92.49,128.73 Q711.1 91.71,127.36 v1(92.08,127) ; v1(28.57,15.24) 28.39,15.42 28.39,44.65 28.54,44.8 28.54,51.35 v1(27.94,51.95) ; v1(113.67,186.05) v1(113.67,171.45) ; v1(127,127) 126.36,127 ; v1(92.71,70.48) 92.39,70.16 Q312.1 92.49,69.39 92.49,66.5 Q311.1 92.08,65.35 v1(92.08,64.77) ; v1(13.97,14.6) 13.7,14.33 Q73.3 Q74.3 ; v1(88.27,52.07) 87.72,52.62 87.72,64.22 v1(88.27,64.77)
  Bottom w0.25: v1(92.71,186.05) v1(113.67,186.05) ; v1(113.67,171.45) 122.3,171.45 122.9,170.85 126.4,170.85 v1(127,171.45) ; v1(127,127) 126.36,126.36 92.71,126.36 v1(92.08,127) ; v1(13.97,14.6) 14.6,15.24 v1(28.57,15.24) ; v1(92.71,70.48) v1(126.35,70.48) ; v1(88.27,52.07) 48.26,52.07 47.85,51.65 42.71,51.65 42.29,52.07 28.06,52.07 v1(27.94,51.95) ; v1(88.27,64.77) v1(92.08,64.77)
